# Altium PCB PCB2 f.PcbDoc
Units mil, origin at the board's own origin, x right, y up, seen from the top; angles counter-clockwise.
Board outline 3155 x 3140 mil, 2 copper layers (Top Layer, Bottom Layer); 24 components, 19 nets, 91 pads, 4 vias.
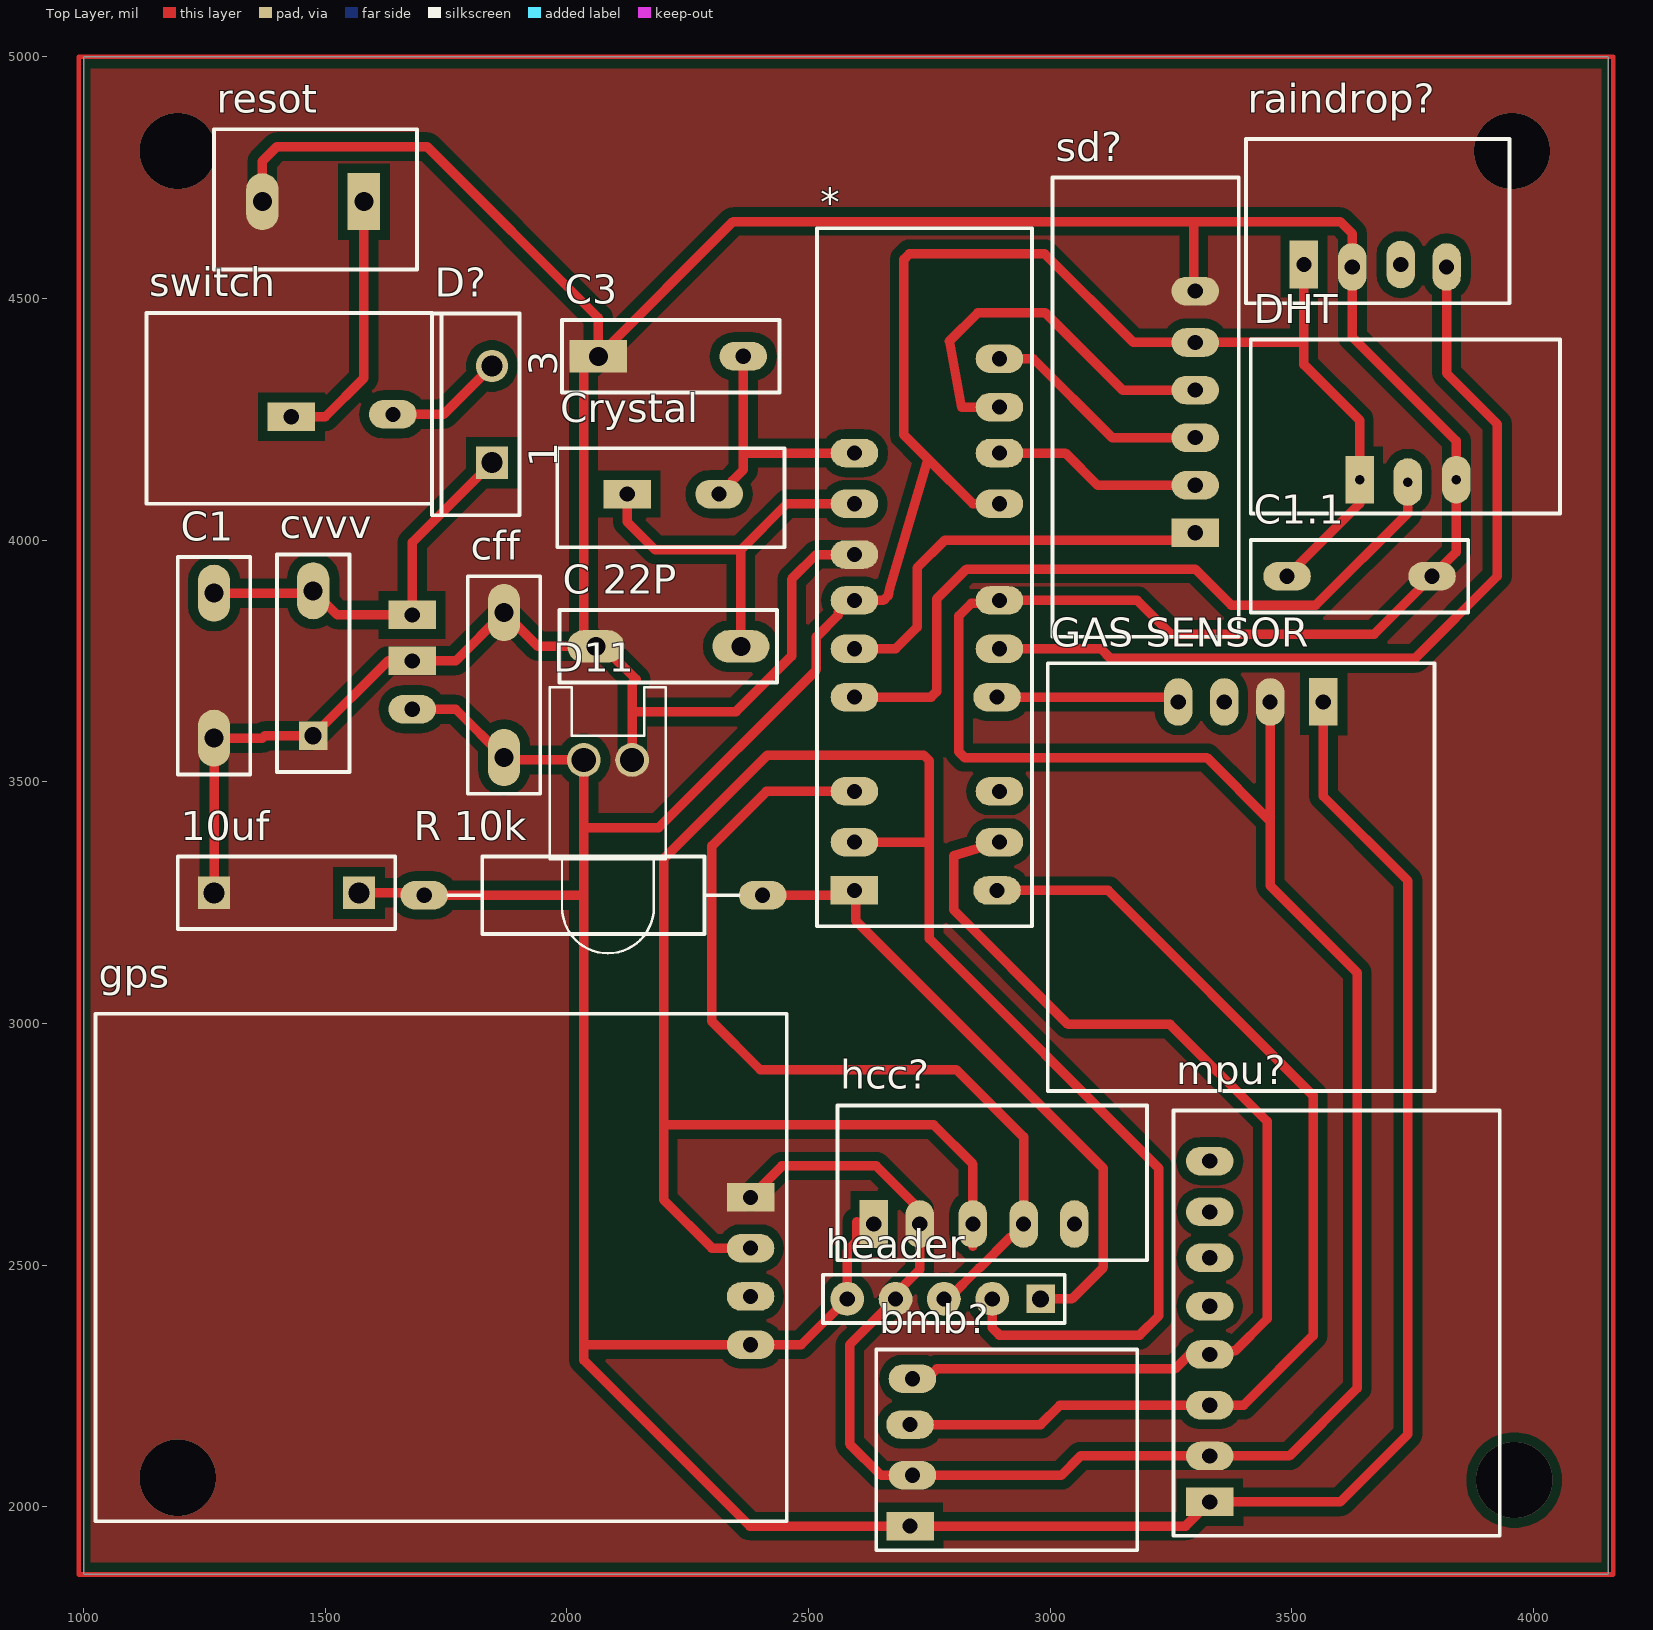
[diagram p0: Top Layer view]
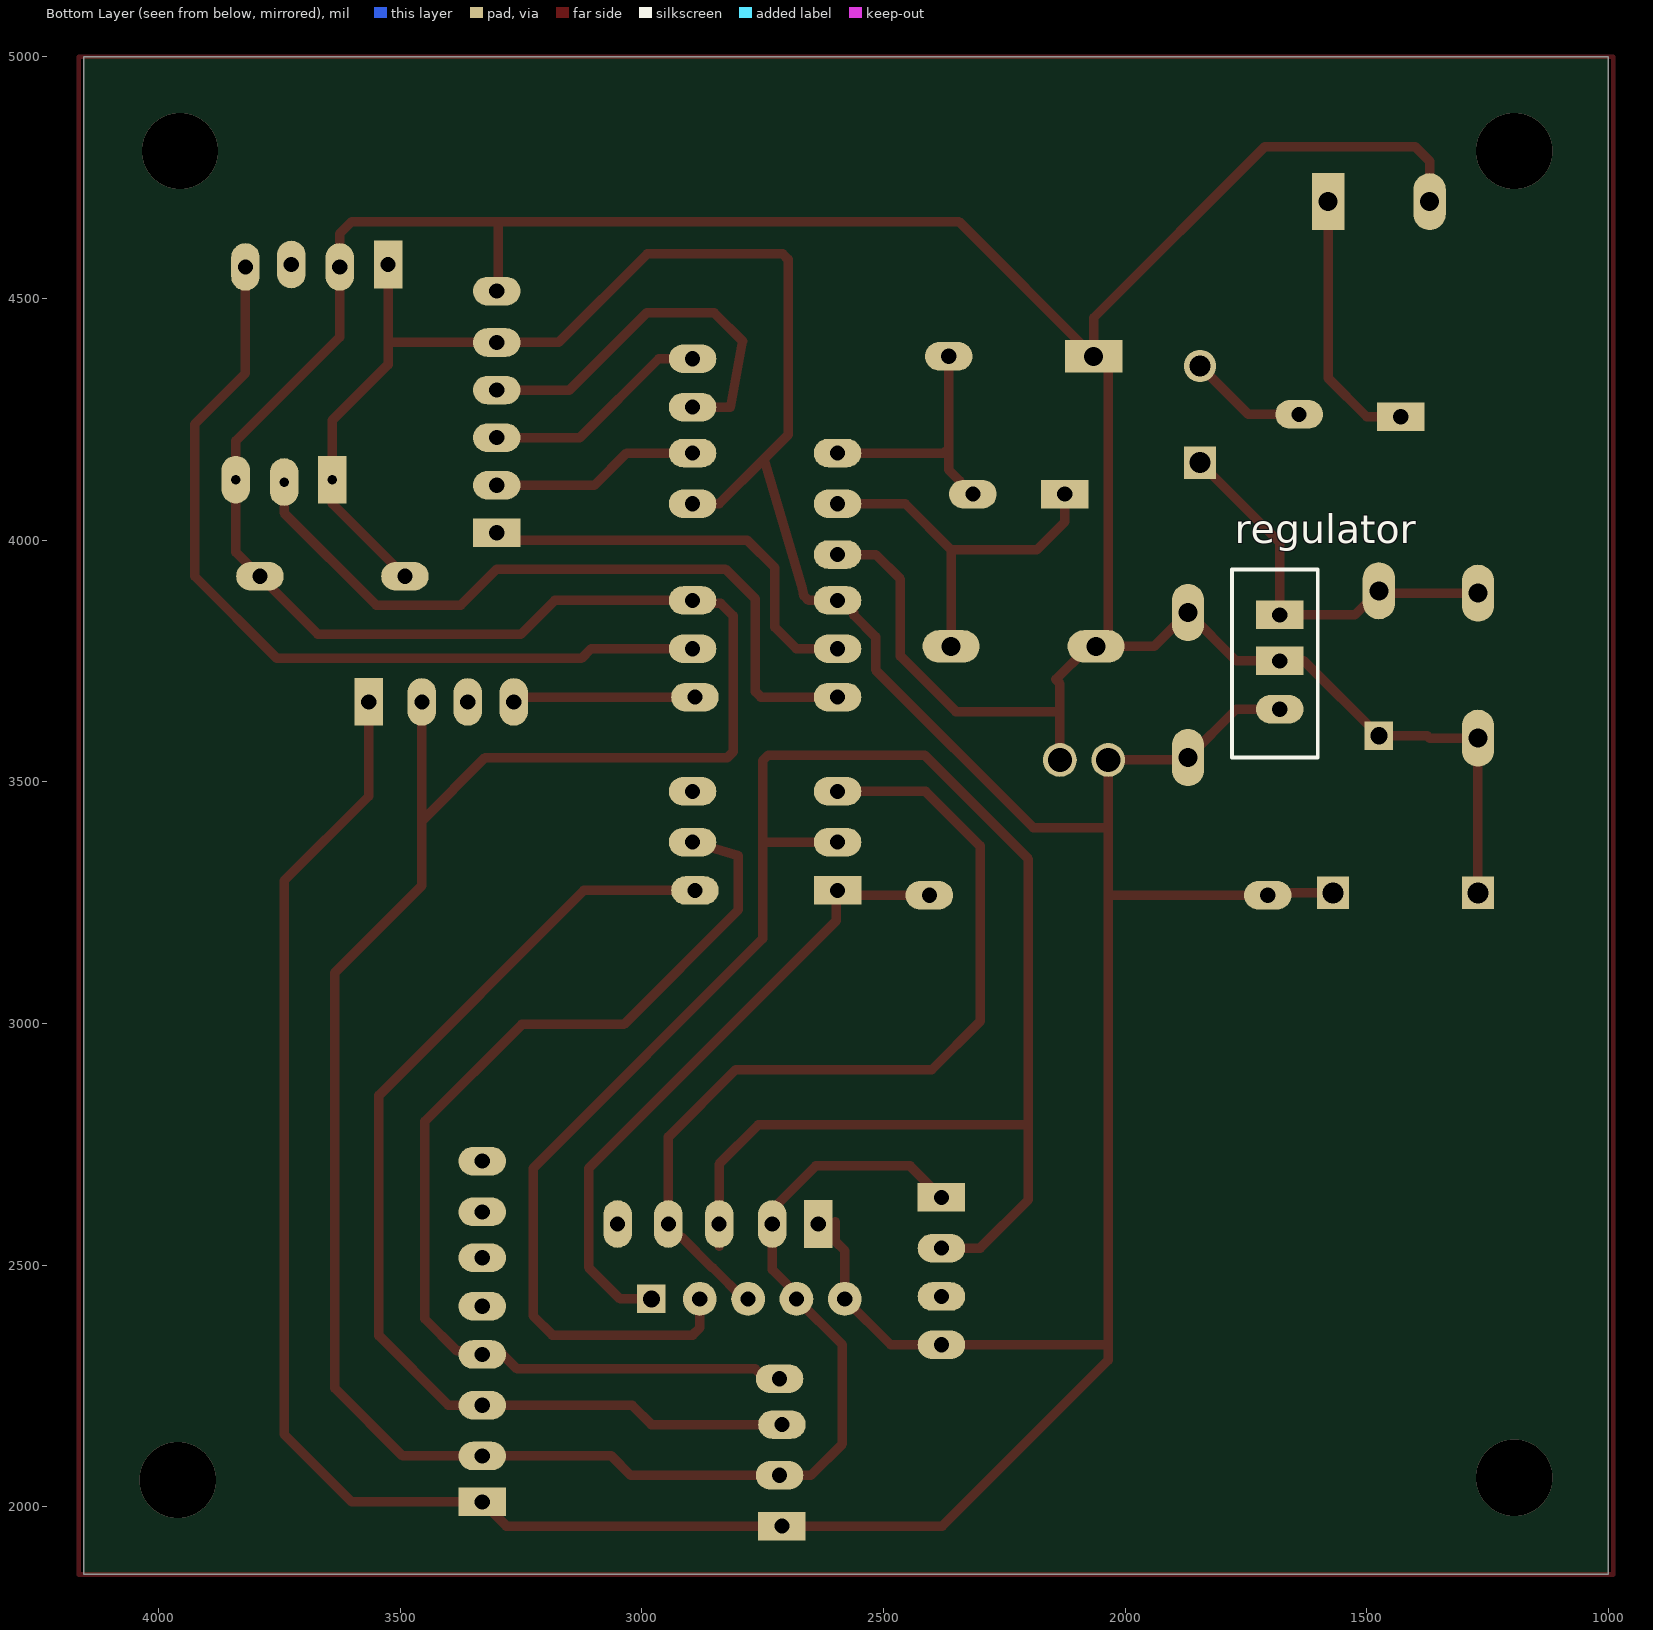
[diagram p1: Bottom Layer view, seen from below]
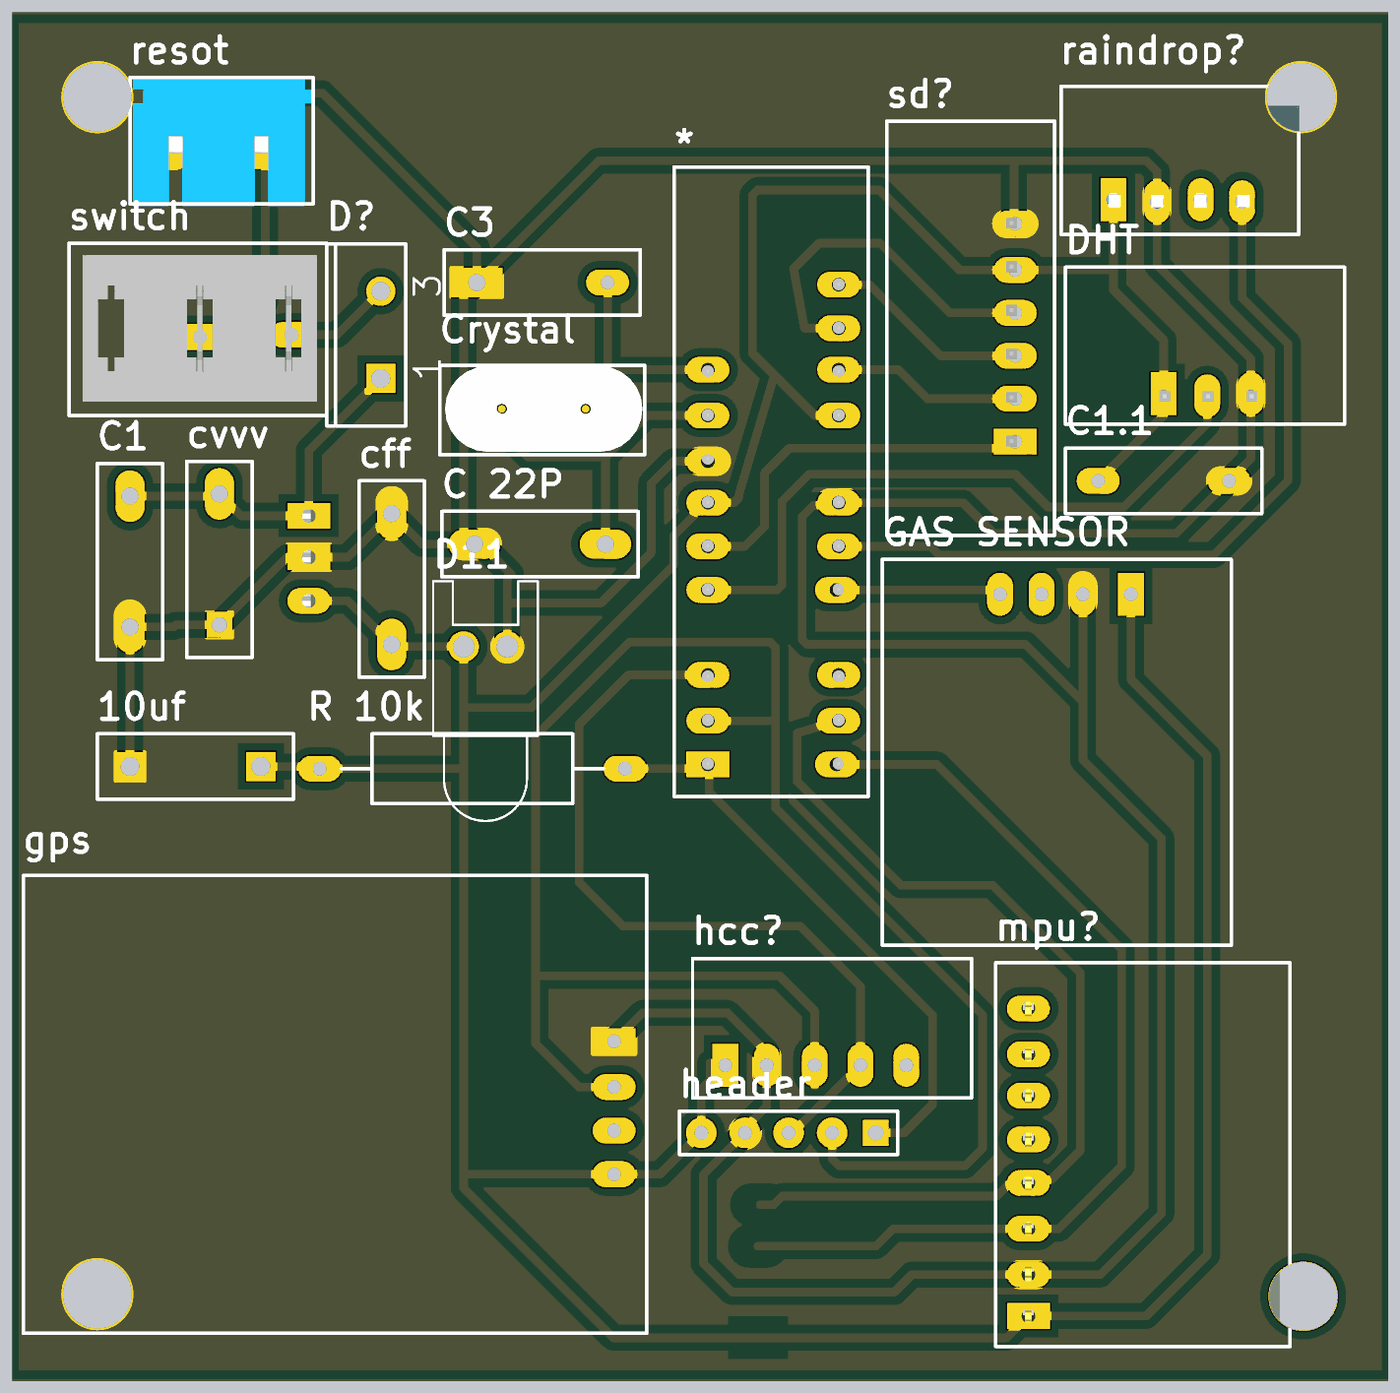
[diagram p2: 3D render of the assembled board from above, using the file's embedded part models]

## Layer stack, top to bottom
Top Solder: solder mask 0.4, Solder Resist, Dk 3.5
Top Layer: signal copper 1.4
Dielectric 1: dielectric 12.6, FR-4, Dk 4.8
Bottom Layer: signal copper 1.4
Bottom Solder: solder mask 0.4, Solder Resist, Dk 3.5

## Board outline
1000,1860 4155,1860 4155,5000 1000,5000

## Design rules (kind name [scope] priority, off if disabled: settings)
Clearance Clearance_5 [InNamedPolygon('NONET_L01_P000')] p1: gap=19.68 ignorepadtopadclearanceinfootprint=FALSE
Clearance Clearance_4 [InNamedPolygon('NONET_L01_P000')] p2: gap=19.68 ignorepadtopadclearanceinfootprint=FALSE
Clearance Clearance_3 [InNamedPolygon('NONET_L01_P002')] p3: gap=27.56 ignorepadtopadclearanceinfootprint=FALSE
Clearance Clearance_2 [InNamedPolygon('NONET_L01_P000')] p4: gap=19.68 ignorepadtopadclearanceinfootprint=FALSE
Clearance Clearance_1 [InNamedPolygon('NONET_L01_P000')] p5: gap=19.68 ignorepadtopadclearanceinfootprint=FALSE
Clearance [All] p6: gap=19.68 ignorepadtopadclearanceinfootprint=FALSE
PolygonConnect [All] p1: connectstyle=Direct reliefconductorwidth=10 reliefentries=4 polygonreliefangle="90 Angle" airgapwidth=10
RoutingLayers [All] p1: top layer_v5=TRUE bottom layer_v5=FALSE
RoutingVias [All] p1: holewidth=28 width=50 viastyle="Through Hole" minholewidth=28 minwidth=50 maxholewidth=28 maxwidth=50
SolderMaskExpansion [All] p1: expansion=4 istentingtop=FALSE
Width pow [All] p1: maxlimit=19.68 minlimit=19.68 preferedwidth=19.68
29 further rules are at their usual default settings.

## Components (designator, comment, footprint, x,y, rotation, side; value= is the part's Value field where it differs from the comment)
10uf "Cap" RAD-0.3#1 1420,3270 r0 top value=10
* "atmega 328  2" "atmega 328p" 2745,3825 r180 top
bmb? "bmb" "bmp - duplicate" 2815,1655 r180 top
C1 "0.22uf" RAD-0.3#2 1270,3740 r90 top
C1.1 "Cap" RAD-0.3#3 3640,3925 r0 top value=1mF
C3 "Cap" RAD-0.3#4 2215,4380 r180 top
"C 22P" "Cap" RAD-0.3#2 2210,3780 r180 top
cff "0.1" RAD-0.3#2 1870,3700 r270 top
Crystal "Crystal" cristal 2220,4095 r0 top
cvvv "0.1uf" RAD-0.3#5 1475,3745 r90 top
D11 "LED0" LED-0 2085,3545 r0 top
D? "Diode 18TQ045" TO-220AC 1845,4260 r90 top
DHT "dht" dht11.11 3620,3875 r90 top
"GAS SENSOR" "gas sensor" "gas sensor" 3565,3655 r270 top
gps "gps*" GPS 2045,2790 r270 top
hcc? "hcc" hc-12 2525,2380 r90 top
header "Header 5" HDR1X5 2980,2430 r180 top
mpu? "mpu3060" "mpu 6050.11" 3515,1945 r180 top
"R 10k" "10k" AXIAL-0.7 2055,3265 r0 top value=1K
raindrop? "raindrop" raindrop 3715,4860 r90 top
regulator "regulator" regylator 1830,3845 r180 bottom
resot "roseta" roseta 1520,4725 r270 top
sd? "sd" "sd - duplicate" 3300,4015 r180 top
switch "swit" switch 1205,4375 r0 top

## Footprints (in the part's own frame and the unit in brackets; to place one, negate y for a bottom-side part, rotate by r counter-clockwise, add the part's x,y. Pads: shape width x height; smd on the part's side, far side on the other; paste and mask are expansions set on the pad)
"atmega 328p" [mm]
  rect 2.5x1.5 hole 0.8: 1(3.81,13.97)
  oval 2.5x1.5 hole 0.8: 2(3.81,11.43) 3(3.81,8.763) 5(3.81,3.81) 6(3.81,1.27) 7(3.81,-1.27) 8(3.81,-3.683) 9(3.81,-6.35) 10(3.81,-9.017) 17(-3.81,-13.97) 18(-3.81,-11.43) 19(-3.81,-9.017) 20(-3.81,-6.35) 22(-3.81,-1.27) 23(-3.81,1.27) 24(-3.683,3.81) 26(-3.81,8.763) 27(-3.81,11.43) 28(-3.683,13.97)
  silkscreen extent -5.52,-20.83 5.78,15.85, body extent -5,-20.32 5,15.18
AXIAL-0.7 [mm] "Axial Device, Thru-Hole; 2 Leads; 0.7 in Pin Spacing"
  oval 2.5x1.5 hole 0.8: 1(-8.89,0) 2(8.89,0)
  silkscreen extent -7.62,-2.03 7.62,2.03
"bmp - duplicate" [mm]
  rect 2.5x1.5 hole 0.8: 1(2.667,-7.747)
  oval 2.5x1.5 hole 0.8: 2(2.54,-10.414) 3(2.667,-13.081) 4(2.54,-15.494)
  silkscreen extent -9.27,-17.02 4.45,-6.48, body extent -8.94,-16.78 3.86,-6.58, height 5.41
cristal [mm]
  rect 2.5x1.5 hole 0.8: 1(-2.413,0)
  oval 2.5x1.5 hole 0.8: 2(2.413,0)
  silkscreen extent -6.1,-2.79 5.84,2.41, body extent -5.79,-2.63 5.71,2.37, height 3.5
dht11.11 [mm]
  rect 2.5x1.5 hole 0.5: 1(6.35,-0.508)
  oval 2.5x1.5 hole 0.5: 2(6.223,-3.048) 3(6.35,-5.588)
  silkscreen extent 4.57,-11.05 13.72,5.21, body extent 5.22,-10.79 13.72,5.21, height 4.21
"gas sensor" [mm]
  rect 2.5x1.5 hole 0.8: 1(-0.254,0)
  oval 2.5x1.5 hole 0.8: 2(-0.254,-2.794) 3(-0.254,-5.207) 4(-0.254,-7.62)
  silkscreen extent -2.29,-14.48 20.19,5.84, body extent -1.56,-14.11 19.94,5.99
GPS [mm]
  rect 1.5x2.5 hole 0.8: 1(3.81,8.509)
  oval 1.5x2.5 hole 0.8: 2(6.477,8.509) 3(9.017,8.509) 4(11.557,8.509)
  silkscreen extent -5.84,-25.91 20.83,10.41, body extent -5.51,-25.57 20.57,10.03
hc-12 [mm]
  rect 2.5x1.5 hole 0.8: 1(5.207,-2.794)
  oval 2.5x1.5 hole 0.8: 2(5.207,-5.207) 3(5.207,-8.001) 4(5.207,-10.668) 5(5.207,-13.335)
  silkscreen extent 3.3,-17.14 11.43,-0.89, body extent 5.01,-17.14 11.56,-1.14, height 0.2
HDR1X5 [mil] "Connector; Header; 5 Position"
  rect 59.06x59.06 hole 35.43: 1(0,0)
  round 70 hole 31.5: 2(100,0) 3(200,0) 4(300,0) 5(400,0)
  silkscreen extent -50,-50 450,50
LED-0 [mil] "LED; 2 Leads"
  round 70 hole 50: 1(50,0) 2(-50,0)
  silkscreen extent -120,-400 120,150
"mpu 6050.11" [mm]
  rect 2.5x1.5 hole 0.8: 1(4.699,-1.651)
  oval 2.5x1.5 hole 0.8: 2(4.699,-4.064) 3(4.699,-6.731) 4(4.699,-9.398) 5(4.699,-11.938) 6(4.699,-14.478) 7(4.699,-16.891) 8(4.699,-19.558)
  silkscreen extent -10.54,-22.22 6.6,0.13, body extent -9.91,-21.35 5.97,-0.24, height 1.01
RAD-0.3#1 [mm] "Radial Cap, Thru-Hole; 2 Leads; 0.3 in Pin Spacing"
  rect 1.7x1.7 hole 1.1: 1(-3.81,0) 2(3.81,0)
  silkscreen extent -5.71,-1.91 5.71,1.91
RAD-0.3#2 [mm] "Radial Cap, Thru-Hole; 2 Leads; 0.3 in Pin Spacing"
  oval 3x1.7 hole 1: 1(-3.81,0) 2(3.81,0)
  silkscreen extent -5.71,-1.91 5.71,1.91
RAD-0.3#3 [mm] "Radial Cap, Thru-Hole; 2 Leads; 0.3 in Pin Spacing"
  oval 2.5x1.5 hole 0.8: 1(-3.81,0) 2(3.81,0)
  silkscreen extent -5.71,-1.91 5.71,1.91
RAD-0.3#4 [mm] "Radial Cap, Thru-Hole; 2 Leads; 0.3 in Pin Spacing"
  oval 2.5x1.5 hole 0.8: 1(-3.81,0)
  rect 3x1.7 hole 1: 2(3.81,0)
  silkscreen extent -5.71,-1.91 5.71,1.91
RAD-0.3#5 [mm] "Radial Cap, Thru-Hole; 2 Leads; 0.3 in Pin Spacing"
  rect 1.5x1.5 hole 0.9: 1(-3.81,0)
  oval 3x1.7 hole 1: 2(3.81,0)
  silkscreen extent -5.71,-1.91 5.71,1.91
raindrop [mm]
  rect 2.5x1.5 hole 0.8: 1(-7.366,4.826)
  oval 2.5x1.5 hole 0.8: 2(-7.493,2.286) 3(-7.366,-0.254) 4(-7.493,-2.667)
  silkscreen extent -9.4,-5.97 -0.76,7.87, body extent -8.4,-5.98 -0.9,8.02, height 0.21
regylator [mm]
  rect 2.5x1.5 hole 0.8: 1(3.81,0) 2(3.81,-2.413)
  oval 2.5x1.5 hole 0.8: 3(3.81,-4.953)
  silkscreen extent 1.31,-7.49 5.81,2.39, body extent 1.31,-7.51 5.81,2.39, height 29.03
roseta [mm]
  rect 3x1.7 hole 1: 1(0.635,1.524)
  oval 3x1.7 hole 1: 2(0.635,-3.81)
  silkscreen extent -3.18,-6.35 4.19,4.32, body extent -3.28,-6.19 4.32,4.41, height 5
"sd - duplicate" [mm]
  rect 2.5x1.5 hole 0.8: 1(0,0)
  oval 2.5x1.5 hole 0.8: 2(0,-2.5) 3(0,-5) 4(0,-7.5) 5(0,-10) 6(0,-12.7)
  silkscreen extent -2.29,-18.67 7.49,5.46, body extent -0.09,-18.41 7.21,5.58, height 2.55
switch [mm]
  rect 2.5x1.5 hole 0.8: 1(5.715,-3.048)
  oval 2.5x1.5 hole 0.8: 2(11.049,-2.921)
  silkscreen extent -1.91,-7.62 13.11,2.41, body extent -1.79,-7.54 13.22,2.46, height 7
TO-220AC [mm] "TO, Thru-Hole, Vertical, Heatsink Mounted; 3 In-Line Leads (1 Absent); Pitch 2.54 mm"
  rect 1.7x1.7 hole 1.1: 1(-2.54,0)
  round 1.7 hole 1.1: 3(2.54,0)
  silkscreen extent -5.3,-1.45 5.3,3.15

## Part data
10uf C1.1 C3 "C 22P": "Capacitor", LatestRevisionDate=17-Jul-2002, LatestRevisionNote="Re-released for DXP Platform.", PackageDescription="Radial Cap, Thru-Hole; 2 Leads; 0.3 in Pin Spacing", PackageReference=RAD-0.3, Published=8-Jun-2000, Publisher="Altium Limited"
  C3 "C 22P": 10uf=10yf
bmb?: library part bmp, catagorr=bmp
C1 cff cvvv: library part Cap, "Capacitor", LatestRevisionDate=17-Jul-2002, LatestRevisionNote="Re-released for DXP Platform.", PackageDescription="Radial Cap, Thru-Hole; 2 Leads; 0.3 in Pin Spacing", PackageReference=RAD-0.3, Published=8-Jun-2000, Publisher="Altium Limited"
  C1 cvvv: 10uf=10yf
  cff: 10uf=0.1
D11: "Typical INFRARED GaAs LED", LatestRevisionDate=08-Jul-2005, LatestRevisionNote="Mech Layer 1 removed.", PackageDescription="LED; 2 Leads", PackageReference=LED-0, Published=8-Jun-2000, Publisher="Altium Limited"
D?: "Schottky Rectifier", ComponentLink1Description="Manufacturer Link", ComponentLink1URL=http://www.irf.com/, ComponentLink2Description=Datasheet, ComponentLink2URL=http://www.irf.com/product-info/datasheets/data/18tq.pdf, DatasheetVersion=Dec-1997, LatestRevisionDate=17-Jul-2002, LatestRevisionNote="Re-released for DXP Platform.", Note="Terminal 2 is the TAB and is electrically connected to the cathode", PackageDescription="TO, Thru-Hole, Vertical, Heatsink Mounted; 3 In-Line Leads (1 Absent); Pitch 2.54 mm", PackageReference=TO-220AC, PackageVersion=Feb-1998, Published=8-Jun-2000, Publisher="Altium Limited"
gps: library part gps.neo.6m, gps=gps
hcc?: library part "hc 12", hcc=hcc
header: "Header, 5-Pin", LatestRevisionDate=17-Jul-2002, LatestRevisionNote="Re-released for DXP Platform.", Publisher="Altium Limited"
mpu?: library part mpu, categore=mpu3060
"R 10k": library part "Res Adj1", "Variable Resistor", LatestRevisionDate=17-Jul-2002, LatestRevisionNote="Re-released for DXP Platform.", PackageDescription="Axial Device, Thru-Hole; 2 Leads; 0.7 in Pin Spacing", PackageReference=AXIAL-0.7, Published=8-Jun-2000, Publisher="Altium Limited", Set Position=0.5
*: category="atmega 328  2"
Crystal: category=CRISTAL
DHT: catagory=dht11.11
raindrop?: category=raindrop
sd?: sd=sd

## Via types
v1: diameter 157.48, hole 157.48, Top Layer to Bottom Layer, 4 vias

## Nets (pads, with @x,y where several pads share a name; then routed paths per layer and width w, separated by ;. In a path a pad name is that pad's centre, name@x,y a point inside that pad or via, vN(x,y) a via of type N, cw(c..) or ccw(c..) an arc to the next point about the centre after c; other vN are vias at no path point)
2: *.2 gps.2 hcc?.3 header.2 | length 4342
  Top Layer w19.68: gps.2 2300,2535 2200,2635 2200,2790 ; *.2 2750,3375 ; hcc?.3@2840,2538.82 2840,2709 2759,2790 2200,2790 ; header.2 2880,2370 2895,2355 3185,2355 3225,2395 3225,2700 2750,3175 2750,3375 ; 2200,2790 2200,3340 2415,3555 2738.47,3555 2750,3543.47 2750,3375
3: *.3 hcc?.4 header.3 | length 1863.3
  Top Layer w19.68: *.3 2413,3480 2300,3367 2300,3004 2400,2904 2806,2904 2945,2765 2945,2575.97 2926.81,2557.78 2917.78,2557.78 2854.53,2494.53 2853.27,2494.53 2788.74,2430 header.3
+5: 10uf.2 "GAS SENSOR.1" "R 10k.1" *.7 *.20 bmb?.1 C1.1.1 cff.2 D11.2 DHT.1 gps.4 hcc?.1 header.5 mpu?.1 raindrop?.1 regulator.3 sd?.5 | length 9822.9
  Top Layer w19.68: 10uf.2 1700,3270 1705,3265 2035,3265 ; regulator.3 1770,3650 cff.2 1875,3545 D11.2 2035,3405 ; 2600,2590 2600,2550 2580,2530 header.5 2485,2335 gps.4 2035,2335 ; *.20 2840,4075 2747.44,4167.56 ; C1.1.1 3640,4075 DHT.1 3640,4248 3525,4363 3525,4408.7 ; raindrop?.1 3525,4408.7 ; 3565,3665 3565,3470 3740,3295 3740,2150 3600,2010 mpu?.1 3280,1960 bmb?.1 2378.4,1960 2035,2303.4 2035,2335 ; 2035,2335 2035,3265 ; 2035,3265 2035,3405 ; 2035,3405 2190,3405 2516.26,3731.26 2516.26,3799.46 2561.48,3844.69 2561.48,3850.52 2585.97,3875 2603.83,3875 2654.87,3875 2664.79,3884.92 2667.67,3898.8 2747.44,4167.56 ; 2747.44,4167.56 2738.15,4176.85 2697.31,4217.69 2697.31,4580.78 2708.84,4592.31 2988.39,4592.31 3172,4408.7 sd?.5 3525,4408.7
A00: *.23 raindrop?.4 | length 1792.2
  Top Layer w19.68: *.23 3105,3775 3125,3755 3755,3755 3925,3925 3925,4240 3820,4345 raindrop?.4
a11: "GAS SENSOR.4" *.24 | length 385
  Top Layer w19.68: *.24 3265,3675 3265,3665
cs: *.6 sd?.1 | length 876.5
  Top Layer w19.68: *.6 2680,3775 2725,3820 2725,3943 2782,4000 3285,4000 sd?.1
GNDD: 10uf.1 "C 22P.2" "GAS SENSOR.2" *.8 *.22 bmb?.2 C1.1 C1.1.2 C3.2 cff.1 cvvv.1 D11.1 DHT.3 gps.1 hcc?.2 header.4 mpu?.2 raindrop?.2 regulator.2 resot.2 sd?.6 | length 12168.9
  Top Layer w19.68: 10uf.1 C1.1 1370,3590 1375,3595 cvvv.1 1630,3750 regulator.2 1770,3750 cff.1 1940,3780 2060,3780 ; resot.2 1370,4784 1400,4814 1711,4814 2065,4460 C3.2 ; D11.1 2135,3645 ; gps.1 2445,2705 2640,2705 2730,2615 2730,2490.65 2680,2440.65 header.4 2585,2335 2585,2130 2650,2065 bmb?.2 3023,2065 3063,2105 mpu?.2 3495,2105 3635,2245 3635,3105 3455,3285 3455,3419 ; *.8 2516,3970 2465,3919 2465,3760 2350,3645 2135,3645 ; 3296.85,4655.73 3293.58,4659 2344,4659 C3.2 ; sd?.6 3296.85,4518.15 3296.85,4659 3600,4659 3625,4634 raindrop?.2 3625,4420 3840,4205 DHT.3 3840,3975 C1.1.2 3670,3805 3250,3805 3180,3875 *.22 2889.08,3869.08 2837.08,3869.08 2811.26,3843.26 2811.26,3561.53 2822.79,3550 3324,3550 3455,3419 ; 3455,3665 3455,3419 ; 2060,3780 2065.27,3774.73 2080.27,3774.73 2143.5,3711.5 2135,3703 2135,3645 ; 2060,3780 2035,3805 2035,4350 C3.2
  other v1: 1195,2060 1195,4805 3955,4805
miso: *.18 sd?.4 | length 816.1
  Top Layer w19.68: *.18 2816.53,4275 2791.53,4411.53 2850,4470 2990,4470 3149.72,4310.28 sd?.4
mosi: *.17 sd?.3 | length 472.6
  Top Layer w19.68: *.17 2965,4375 3128.15,4211.85 sd?.3
Net*_9: "C 22P.1" *.9 Crystal.1 | length 790.7
  Top Layer w19.68: Crystal.1 2125,4037.5 2182.5,3980 2360,3980 ; 2360,3780 2360,3980 ; *.9 2455,4075 2360,3980
Net*_10: *.10 C3.1 Crystal.2 | length 545.1
  Top Layer w19.68: Crystal.2 2324.03,4095 2342.22,4113.19 2342.22,4122.22 2365,4145 2365,4190 ; C3.1 2365,4190 ; *.10 2375,4180 2365,4190
NetC1_2: C1.2 cvvv.2 D?.1 regulator.1 | length 816.1
  Top Layer w19.68: C1.2 1470,3890 cvvv.2 1525,3845 regulator.1 1680,3995 D?.1
NetD?_3: D?.3 switch.2 | length 246.4
  Top Layer w19.68: switch.2 1745,4260 D?.3
Netresot_1: resot.1 switch.1 | length 548.1
  Top Layer w19.68: switch.1 1500,4255 1580,4335 resot.1
"pin =3": *.5 DHT.2 | length 1541.1
  Top Layer w19.68: *.5 2753.47,3675 2765,3686.53 2765,3878 2827,3940 3300,3940 3375,3865 3549,3865 3740,4056 DHT.2
reset: "R 10k.2" *.1 header.1 | length 1340.2
  Top Layer w19.68: 2405,3265 *.1@2585,3265 ; *.1 *.1@2585,3265 ; header.1 3045,2430 3110,2495 3110,2700 2597.52,3212.48 2597.52,3255.31 2587.84,3265 *.1@2585,3265
sck: *.19 sd?.2 | length 432.6
  Top Layer w19.68: *.19 3031.43,4180 3098,4113.43 sd?.2
scl: *.28 bmb?.3 mpu?.3 | length 2236.8
  Top Layer w19.68: bmb?.3 2980,2170 3020,2210 mpu?.3 3400,2210 3544,2354 3544,2851 3120,3275 *.28
sda: *.27 bmb?.4 mpu?.4 | length 2234.6
  Top Layer w19.68: bmb?.4 2745.34,2265 2765.34,2285 3258,2285 3288,2315 mpu?.4 3337.53,2322.53 3382.53,2322.53 3449,2389 3449,2797 3248,2998 3037,2998 2800,3235 2800,3346.73 *.27
pads on no net: "GAS SENSOR.3" *.26 gps.3 hcc?.5 mpu?.5 mpu?.6 mpu?.7 mpu?.8 raindrop?.3
copper on no net: | length 12630
  Top Layer w10: 990,1860 4165,1860 4165,5000 990,5000 990,1860
  other v1: 3960,2055

## Polygon pours and split planes (outlines as drawn)
GNDD on Top Layer "GNDD_L01_P000" (solid, remove dead copper, pour order 0): 1000,1860 4155,1860 4155,5000 1000,5000

## Text inside footprints (layer, text, board x,y; h text height)
D?: Top Overlay "1" at 1979.84,4150.16 h59.06 r90; Top Overlay "3" at 1979.84,4340.31 h59.06 r90